# KiCad board Prak's keyboard.kicad_pcb (continued)
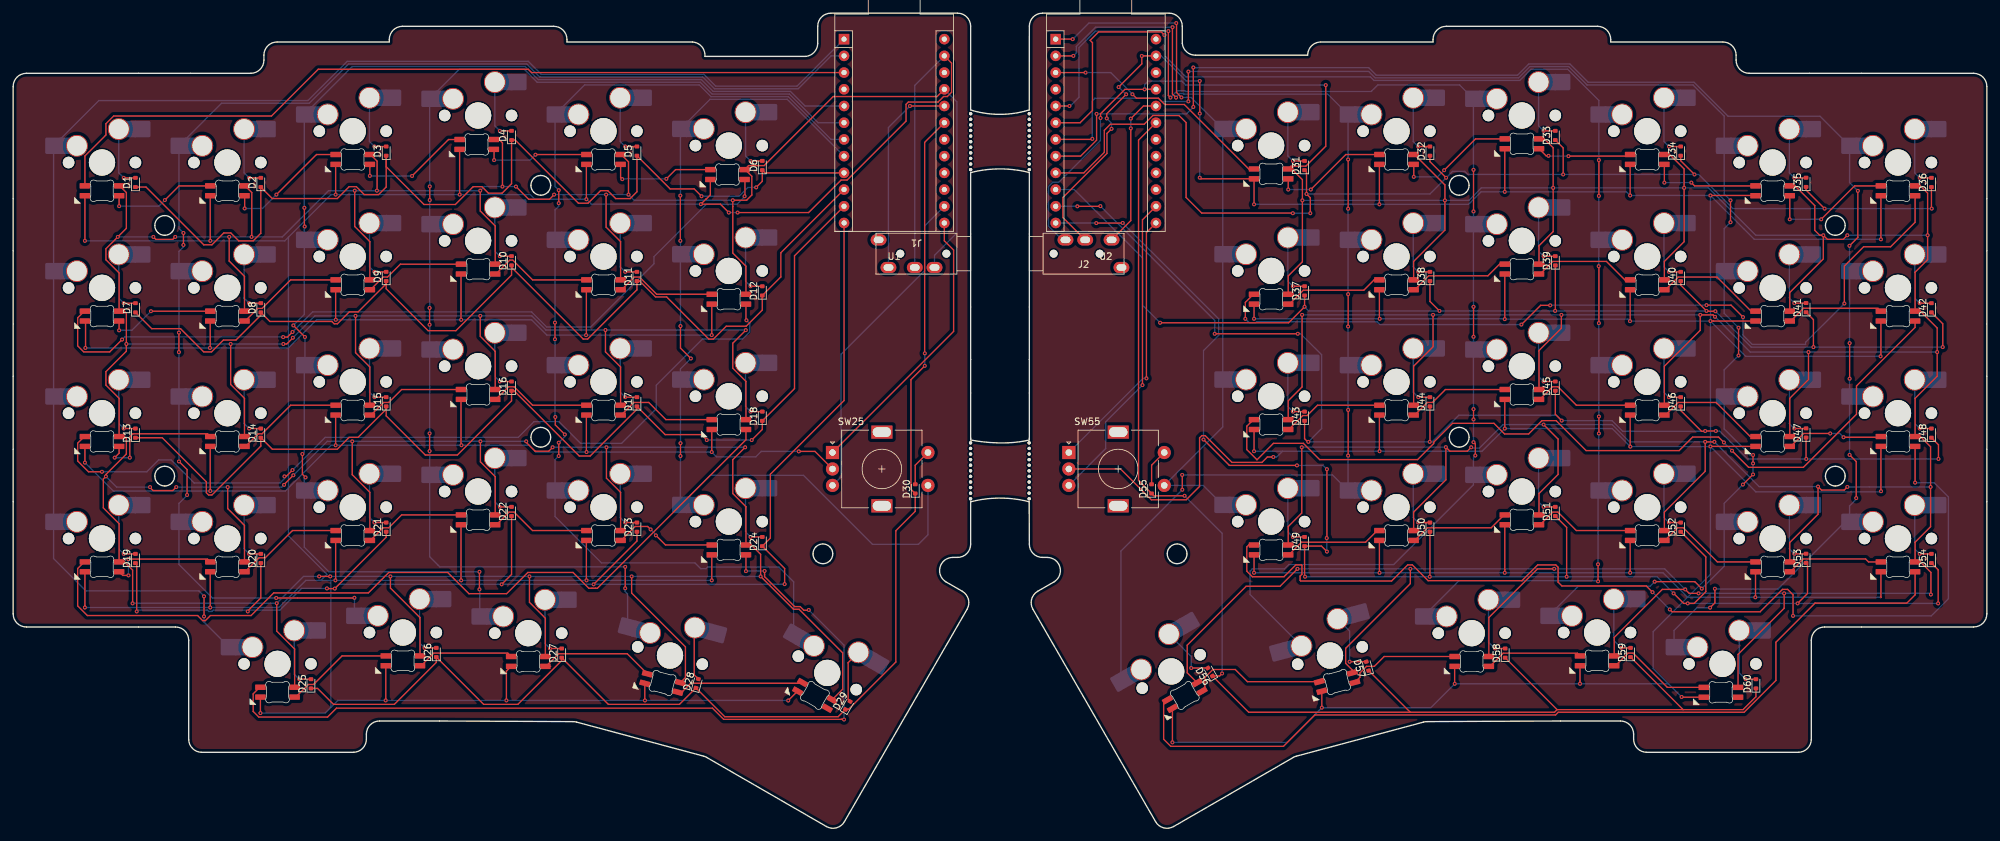
[diagram p0: board, top side]
## Routing (per net, layer and track width the routed paths; a pad name or vN(x,y) marks a point on that pad's centre or on a via; arc(x,y) is an arc through that point) (continued)
Net-(D50-A): length 9.5
  Top w0.2: D50.2 v1(213.5,46.47)
  Bottom w0.2: v1(213.5,46.47) 212.74,47.23 SW50.2
Net-(D51-A): length 9.5
  Top w0.2: D51.2 v1(232.55,48.86)
  Bottom w0.2: v1(232.55,48.86) 231.79,49.62 SW51.2
Net-(D52-A): length 9.5
  Top w0.2: D52.2 v1(251.6,46.47)
  Bottom w0.2: v1(251.6,46.47) 250.84,47.23 SW52.2
Net-(D53-A): length 9.5
  Top w0.2: 272.43,41.71 v1(270.65,41.71)
  Bottom w0.2: SW53.2 269.89,42.47 v1(270.65,41.71)
Net-(D54-A): length 9.5
  Top w0.2: D54.2 v1(289.7,41.71)
  Bottom w0.2: v1(289.7,41.71) 288.94,42.47 SW54.2
Net-(D55-A): length 5.6
  Top w0.2: SW55.S2 172.99,55.19 D55.2
Net-(D56-A): length 9.1
  Top w0.2: D56.2 178.99,24.36
  Bottom w0.2: v1(179,24.36) 179,26.14 SW56.2
Net-(D57-A): length 9.8
  Top w0.2: D57.2 203.06,25.32
  Bottom w0.2: SW57.2 203.07,29.98 v1(203.07,25.32)
Net-(D58-A): length 9.4
  Top w0.2: v1(225.15,27.34) 226.7,27.34 D58.2
  Bottom w0.2: SW58.2 224.17,28.32 v1(225.15,27.34)
Net-(D59-A): length 9.3
  Top w0.2: D59.2 v1(244.35,27.42)
  Bottom w0.2: SW59.2 243.22,28.55 v1(244.35,27.42)
Net-(D60-A): length 9.4
  Top w0.2: D60.2 v1(263.25,22.66)
  Bottom w0.2: v1(263.25,22.66) 262.27,23.64 SW60.2
Net-(D61-DOUT): length 16.7
  Top w0.2: v1(16.1,94.56) D61.2 ; v1(23.05,95.49) 25.21,97.64 D62.4
  Bottom w0.2: v1(16.1,94.56) 22.12,94.56 v1(23.05,95.49)
Net-(D62-DOUT): length 19.2
  Top w0.2: D63.4 46.09,102.41 v1(40,96.32) ; D62.2 35.17,96.12 v1(35.17,94.21)
  Bottom w0.2: v1(35.17,94.21) 37.89,94.21 v1(40,96.32)
Net-(D63-DOUT): length 17.7
  Top w0.2: D64.4 66.15,104.69 v1(60.61,99.14) ; v1(54.2,99.16) D63.2
  Bottom w0.2: v1(54.2,99.16) 54.22,99.14 v1(60.61,99.14)
Net-(D64-DOUT): length 16
  Top w0.2: v1(79.37,102.38) 79.4,102.41 87.1,102.41 ; v1(73.08,101.56) 73.08,103.15 D64.2
  Bottom w0.2: v1(79.37,102.38) 78.55,101.56 v1(73.08,101.56)
Net-(D65-DOUT): length 16.3
  Top w0.2: v1(92.55,98.66) 92.3,98.91 D65.2 ; v1(99.25,98.71) 100.65,100.11 D66.4
  Bottom w0.2: v1(92.55,98.66) 92.6,98.71 v1(99.25,98.71)
Net-(D66-DOUT): length 122.5
  Top w0.2: D67.4 10.81,78.59 9.8,77.58 9.8,73.34 10.73,72.41 14.67,72.41 v1(16.55,74.29) ; v1(42.45,75.44) 41.67,74.66 v1(41.02,74.66) ; v1(111.14,96.06) 111.15,96.06 111.2,96.11 111.2,98.55 D66.2
  Bottom w0.2: v1(42.45,75.44) 45.5,78.49 78.77,78.49 81.06,76.19 87.76,76.19 97.38,85.81 97.38,86.89 105.32,94.84 109.98,94.84 111.14,96 v1(111.14,96.06) ; v1(16.55,74.29) 16.95,74.69 41,74.69 v1(41.02,74.66)
Net-(D67-DOUT): length 16.5
  Top w0.2: D67.2 v1(16.1,75.69) ; v1(20.93,78.59) D68.4
  Bottom w0.2: v1(20.93,78.59) 18.02,75.69 v1(16.1,75.69)
Net-(D68-DOUT): length 16.4
  Top w0.2: D68.2 35.24,77.09 37.16,79.01 37.82,79.01 42.17,83.36 D69.4
Net-(D69-DOUT): length 15.5
  Top w0.2: D69.2 54.29,81.86 56.21,83.78 56.88,83.78 58.84,85.74 D70.4
Net-(D70-DOUT): length 16
  Top w0.2: D70.2 73.34,84.24 75.46,86.35 75.92,86.35 78.92,83.36 87.1,83.36
Net-(D71-DOUT): length 15.7
  Top w0.2: D72.4 97.78,81.17 95.17,83.78 94.36,83.78 92.45,81.86 D71.2
Net-(D72-DOUT): length 128.2
  Top w0.2: v1(42.45,54.45) 41.48,53.49 v1(41.23,53.49) ; v1(13.49,54.19) 11.45,54.19 9.8,55.84 9.8,58.53 10.81,59.54 D73.4 ; v1(111.43,77.21) 111.35,77.29 D72.2
  Bottom w0.2: v1(111.43,77.21) 111.93,76.71 111.93,75.46 110.82,74.36 104.73,74.36 97.73,67.35 97.73,63.79 92.45,58.51 86.23,58.51 82.93,61.81 79.14,61.81 76.75,59.42 47.41,59.42 v1(42.45,54.45) ; v1(41.23,53.49) 41.23,53.16 40.55,52.49 27.51,52.49 27.5,52.48 24,55.99 22.1,55.99 20.3,54.19 v1(13.49,54.19)
Net-(D73-DOUT): length 20
  Top w0.2: v1(17.72,56.34) 17.72,59.5 18.19,59.96 29.53,59.96 D74.4 ; v1(15.43,56.34) 16.1,57.01 D73.2
  Bottom w0.2: v1(15.43,56.34) v1(17.72,56.34)
Net-(D74-DOUT): length 16.4
  Top w0.2: D75.4 42.17,64.31 37.82,59.96 37.24,59.96 35.32,58.04 D74.2
Net-(D75-DOUT): length 15.5
  Top w0.2: D75.2 54.37,62.81 56.29,64.73 57.06,64.73 59.03,66.69 D76.4
Net-(D76-DOUT): length 15.8
  Top w0.2: D76.2 73.34,65.19 75.26,67.11 76.12,67.11 78.92,64.31 87.1,64.31
Net-(D77-DOUT): length 15.7
  Top w0.2: D77.2 92.39,62.81 94.31,64.73 96.57,64.73 99.18,62.12 D78.4
Net-(D78-DOUT): length 127.3
  Top w0.2: D78.2 111.35,59.06 88.78,36.49 88.45,36.49 88.45,36.48 87.95,36.48 87.95,36.49 87.47,36.49 85.07,38.88 78.2,38.88 74.98,35.66 69.25,35.66 66.02,38.88 57.08,38.88 53.98,35.79 39.6,35.79 36.15,32.34 29.97,32.34 29.2,31.56 28.8,31.56 28.02,32.34 11.28,32.34 9.8,33.81 9.8,39.48 10.81,40.49 D79.4
Net-(D79-DOUT): length 16.8
  Top w0.2: D79.2 16.66,38.44 v1(17.52,38.44) ; D80.4 29.53,40.91 17.5,40.91 v1(17.5,40.91)
  Bottom w0.2: v1(17.52,38.44) 17.5,38.46 v1(17.5,40.91)
Net-(D80-DOUT): length 16.4
  Top w0.2: D80.2 35.24,38.99 37.36,41.11 38.3,41.11 42.45,45.26 D81.4
Net-(D81-DOUT): length 15.5
  Top w0.2: D81.2 54.29,43.76 56.21,45.68 57.06,45.68 59.03,47.64 D82.4
Net-(D82-DOUT): length 15.8
  Top w0.2: D82.2 73.42,46.14 75.34,48.06 76.12,48.06 78.92,45.26 87.1,45.26
Net-(D83-DOUT): length 15.9
  Top w0.2: D83.2 92.39,43.76 94.51,45.87 96.41,45.87 v1(96.86,45.42) ; v1(97.66,44.52) 99.12,43.07 D84.4
  Bottom w0.2: v1(97.66,44.52) 97.66,44.62 v1(96.86,45.42)
Net-(D84-DOUT): length 129.6
  Top w0.2: 37.57,21.44 37.48,21.44 36.47,20.43 36.47,17.77 37.33,16.91 47.77,16.91 49.12,18.26 106.26,18.26 107.96,16.56 125.8,16.56 ; 125.92,16.56 125.8,16.56 ; 125.8,16.56 126.23,16.56 v1(126.25,16.54) ; v1(120.9,33.19) 120.85,33.14 120.14,33.14 119.58,33.7 118.73,33.7 114.18,38.25 114.18,38.53 114.18,38.54 v1(114.18,39.11) ; v1(111.35,39.09) D84.2
  Bottom w0.2: v1(120.9,33.19) 126.25,27.84 v1(126.25,16.54) ; v1(114.18,39.11) 111.38,39.11 v1(111.35,39.09)
Net-(D85-DOUT): length 16.4
  Top w0.2: D85.2 42.94,19.94 44.86,21.86 45.64,21.86 49.99,26.21 D86.4
Net-(D86-DOUT): length 15.3
  Top w0.2: D87.4 75.16,26.63 63.91,26.63 61.99,24.71 D86.2 62.24,24.71
Net-(D87-DOUT): length 18.3
  Top w0.2: 81.67,24.61 D87.2 80.96,24.61 82.88,26.53 93.31,26.53 D88.4
Net-(D88-DOUT): length 19.6
  Top w0.2: 100.98,20.67 D88.2 101.59,20.69 102.94,22.04 119.84,22.04 D89.4
Net-(D91-DOUT): length 17.7
  Top w0.2: v1(193.75,97.09) D91.2 ; v1(197.17,97.09) 202.5,102.41 D92.4
  Bottom w0.2: v1(197.17,97.09) v1(193.75,97.09)
Net-(D92-DOUT): length 18.1
  Top w0.2: v1(212.82,99.01) 212.82,100.88 D92.2 ; 226.65,104.79 222.2,104.79 v1(217.44,100.02)
  Bottom w0.2: v1(217.44,100.02) 216.42,99.01 v1(212.82,99.01)
Net-(D93-DOUT): length 14.4
  Top w0.2: D93.2 232.93,102.21 v1(233.3,102.21) ; v1(236.32,102.16) 245.45,102.16 D94.4
  Bottom w0.2: v1(233.3,102.21) 233.35,102.16 v1(236.32,102.16)
Net-(D94-DOUT): length 16.8
  Top w0.2: D95.4 255.49,97.64 v1(255,98.14) ; v1(250.9,98.14) D94.2
  Bottom w0.2: v1(255,98.14) v1(250.9,98.14)
Net-(D95-DOUT): length 19.5
  Top w0.2: v1(269.95,92.56) D95.2 ; 283.8,97.64 279.81,97.64 v1(274.72,92.56)
  Bottom w0.2: v1(274.72,92.56) v1(269.95,92.56)
Net-(D96-DOUT): length 127.2
  Top w0.2: D96.2 289,92.11 285.27,88.39 281.18,88.39 278.25,85.46 v1(278.25,79.76) ; D97.4 188.46,81.17 187.22,79.93 v1(187.22,77.44) ; v1(262.85,77.69) 261.03,79.51 v1(257.3,79.51) ; v1(229.17,76.56) 232.1,79.49 v1(233.55,79.49)
  Bottom w0.2: v1(233.55,79.49) 233.57,79.51 v1(257.3,79.51) ; v1(187.22,77.44) 187.83,76.83 188.8,76.83 188.95,76.99 207.25,76.99 207.68,76.56 v1(229.17,76.56) ; v1(278.25,79.76) 272.35,73.86 272.35,73.54 264.27,73.54 262.85,74.95 v1(262.85,77.69)
Net-(D97-DOUT): length 15.4
  Top w0.2: D98.4 206.8,83.36 205.23,81.78 196.04,81.78 193.92,79.67 D97.2
Net-(D98-DOUT): length 15.5
  Top w0.2: D98.2 212.97,81.86 215.09,83.97 224.08,83.97 225.85,85.74 226.65,85.74
Net-(D100-DIN): length 15.8
  Top w0.2: D99.2 232.02,84.24 233.94,86.16 242.1,86.16 244.9,83.36 D100.4
Net-(D100-DOUT): length 16.8
  Top w0.2: D101.4 264.08,78.59 258.9,83.78 252.99,83.78 251.07,81.86 D100.2
Net-(D101-DOUT): length 14.8
  Top w0.2: 283.8,78.59 283.36,79.04 272.04,79.04 270.1,77.09 D101.2
Net-(D102-DOUT): length 130.2
  Top w0.2: v1(259.95,58.64) 259.13,59.46 255.2,59.46 253.15,57.41 239,57.41 234.45,61.96 232.3,61.96 230.27,59.94 226.63,59.94 225.01,61.55 218.71,61.55 215.85,58.69 215.85,58.49 213.4,56.04 198.52,56.04 196.05,58.51 191.5,58.51 189,56.01 187.45,57.56 187.45,61.11 188.46,62.12 D103.4 ; D102.2 289,76.14 280.09,67.23 280.09,62.93 272.02,54.86 263.7,54.86 v1(261.18,57.39)
  Bottom w0.2: v1(261.18,57.39) 259.95,58.61 v1(259.95,58.64)
Net-(D103-DOUT): length 15.4
  Top w0.2: D103.2 193.84,60.62 195.96,62.73 196.62,62.73 198.2,64.31 D104.4
Net-(D104-DOUT): length 15.5
  Top w0.2: D104.2 212.97,62.81 214.89,64.73 215.67,64.73 217.63,66.69 226.65,66.69
Net-(D105-DOUT): length 15.8
  Top w0.2: D105.2 231.98,65.19 233.9,67.11 234.72,67.11 237.52,64.31 D106.4
Net-(D106-DOUT): length 16.8
  Top w0.2: D107.4 263.95,59.54 258.77,64.73 252.99,64.73 251.07,62.81 D106.2
Net-(D107-DOUT): length 14.9
  Top w0.2: 283.8,59.54 283.69,59.44 v1(278.12,59.44) ; v1(276.1,60.01) 272.06,60.01 270.1,58.04 D107.2
  Bottom w0.2: v1(276.1,60.01) 277.55,60.01 v1(278.12,59.44)
Net-(D108-DOUT): length 155.6
  Top w0.2: v1(249.1,35.89) 248.15,36.84 235.32,36.84 234.75,37.41 234.75,39.68 234.4,40.04 231.66,40.04 229.26,37.63 215,37.63 212.6,40.04 211.9,40.04 209.45,37.59 195.65,37.59 195.55,37.69 195.55,38.34 195.83,38.61 195.83,39.96 195.75,40.04 194.9,40.04 193.1,38.23 188.3,38.23 187.45,39.09 187.45,42.77 187.75,43.07 D109.4 ; v1(289,52.54) D108.2 ; v1(270.45,32.29) 270.45,35.49 269.62,36.31 268.85,36.31 265.45,32.91 252.07,32.91 v1(251.73,33.26)
  Bottom w0.2: v1(289,52.54) 291.89,52.54 294.07,50.36 294.07,34.9 291.45,32.29 v1(270.45,32.29) ; v1(249.1,35.89) v1(251.73,33.26)
Net-(D109-DOUT): length 15.4
  Top w0.2: D110.4 207.28,45.26 205.5,43.48 195.76,43.48 193.84,41.57 D109.2
Net-(D110-DOUT): length 15.5
  Top w0.2: D110.2 212.97,43.76 214.89,45.68 224.59,45.68 226.55,47.64 226.65,47.64
Net-(D111-DOUT): length 15.8
  Top w0.2: D111.2 232.02,46.14 233.94,48.06 234.72,48.06 237.52,45.26 D112.4
Net-(D112-DOUT): length 16.8
  Top w0.2: D113.4 258.95,40.49 253.77,45.68 252.91,45.68 250.99,43.76 D112.2
Net-(D113-DOUT): length 14.8
  Top w0.2: D113.2 270.04,38.99 271.98,40.94 281.47,40.94 281.93,40.49 283.79,40.49 283.8,40.49
Net-(D114-DOUT): length 137.3
  Top w0.2: D114.2 289,35.49 287.75,34.24 273.8,34.24 267.85,28.29 267.85,22.47 263.02,17.63 234.77,17.63 234.37,17.23 197.8,17.23 193.02,12.46 175.9,12.46 174.81,13.55 174.81,18.95 D115.4
Net-(D115-DOUT): length 20.9
  Top w0.2: D116.4 187.55,22.28 185.7,24.14 182.3,24.14 181.07,22.91 181.07,21.26 D115.2
Net-(D116-DOUT): length 17.2
  Top w0.2: D117.4 208.33,26.11 206.83,24.62 205.65,24.62 204.65,23.62 204.65,22.96 D116.2
Net-(D117-DOUT): length 14.9
  Top w0.2: D118.4 237.67,26.62 226.41,26.62 224.4,24.61 D117.2
Net-(D118-DOUT): length 16.6
  Top w0.2: D119.4 251.36,21.42 246.15,26.63 245.37,26.63 243.45,24.71 243.28,24.71

## Copper pours and planes (outline as drawn; the poured copper is in the pictures)
(no net) on Top, Bottom: 300.04,138.88 -9.84,138.88 -9.84,-23.68 345.76,-13.52
